# Altium PCB Controller.PcbDoc
Units mil, origin at the board's own origin, x right, y up, seen from the top; angles counter-clockwise.
Board outline 1181 x 1181 mil, 2 copper layers (Top Layer, Bottom Layer); 28 components, 26 nets, 140 pads, 52 vias.
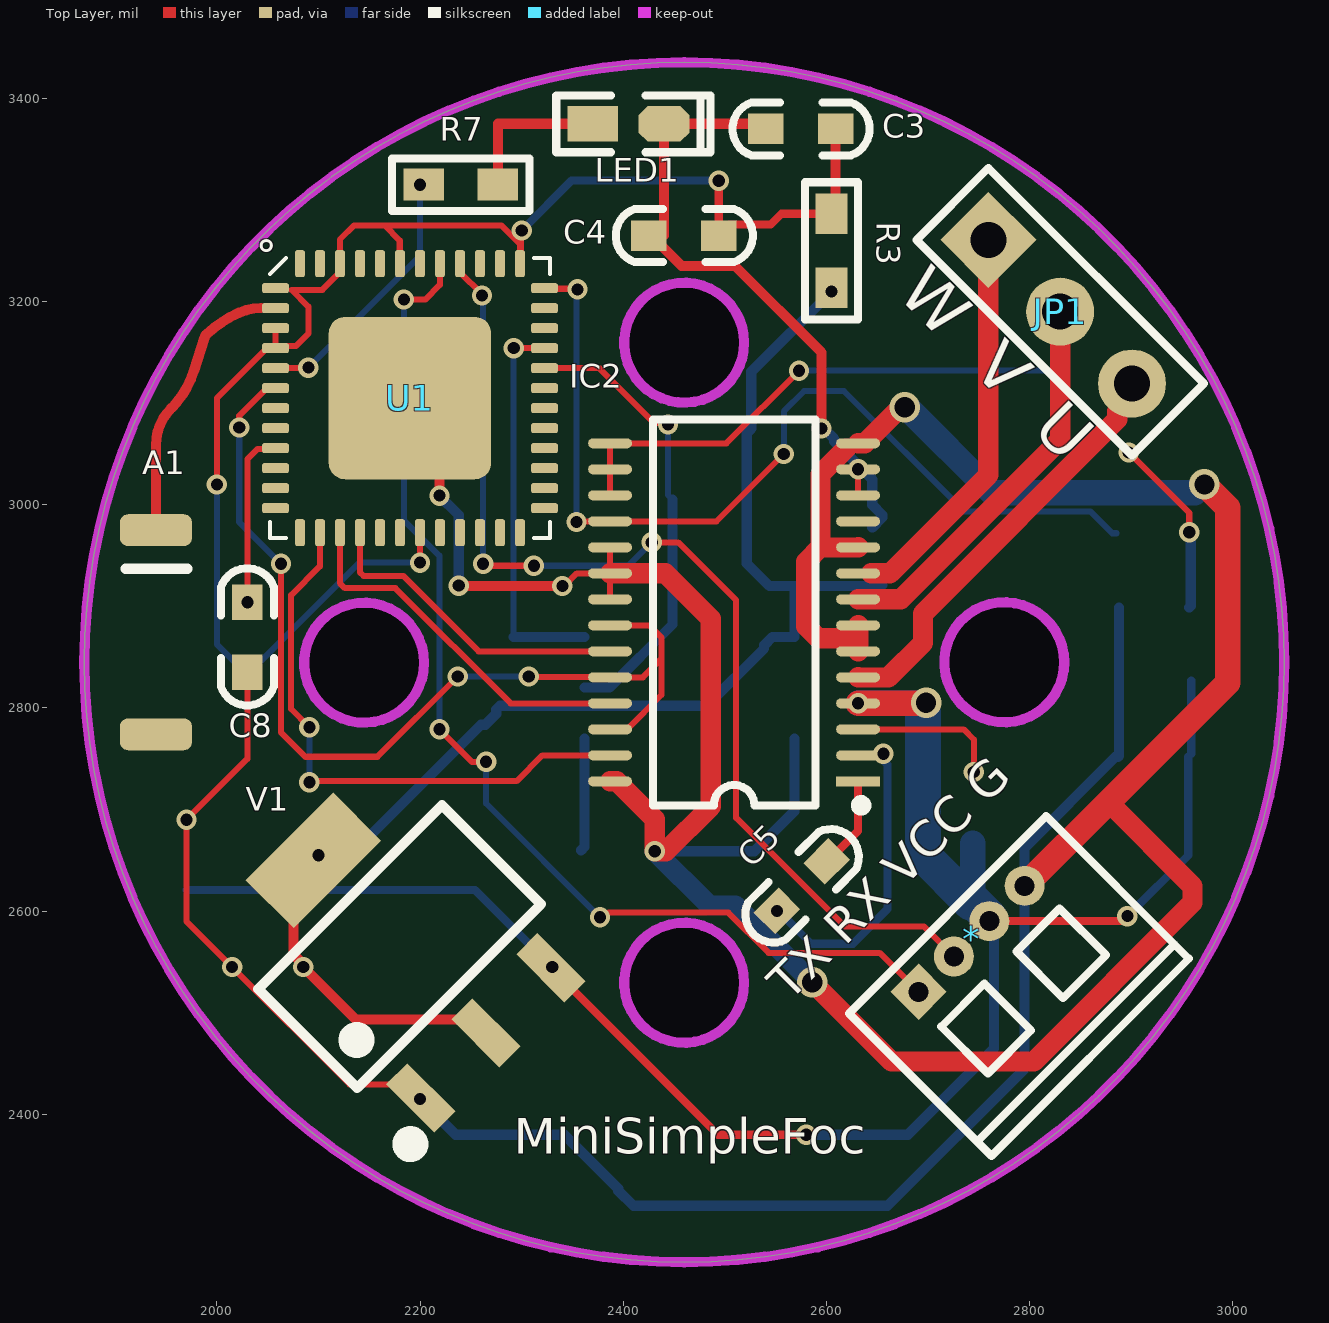
[diagram p0: Top Layer view]
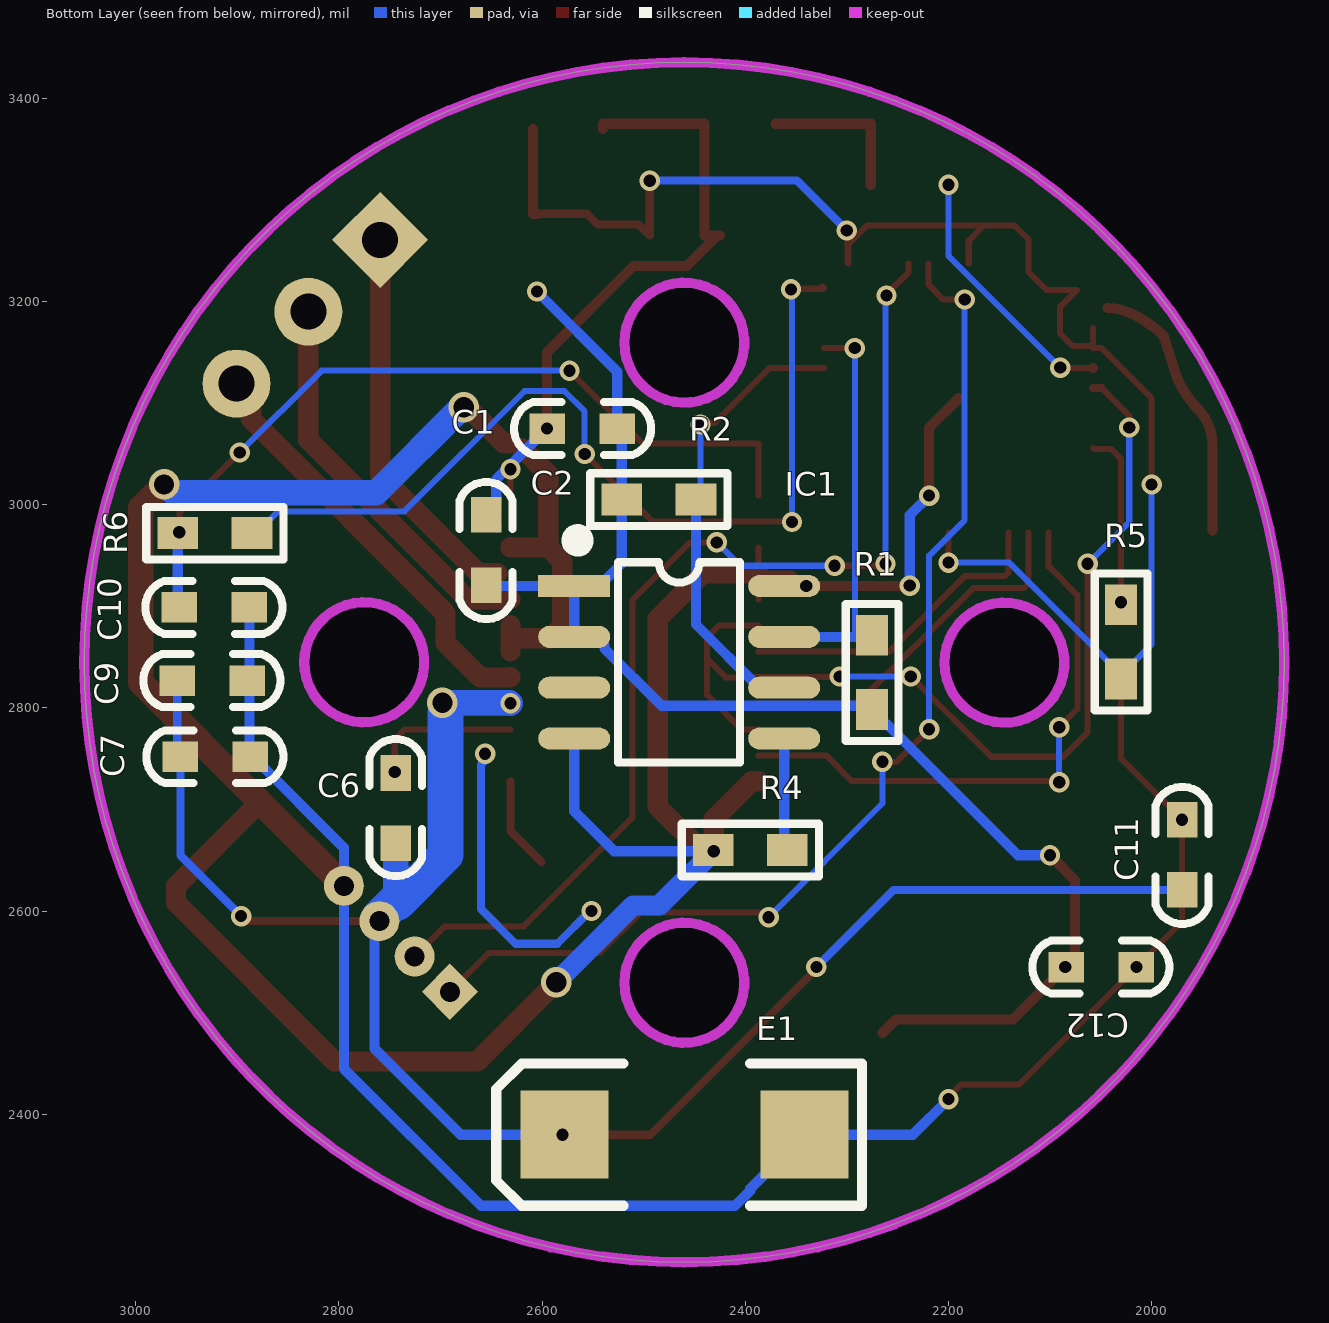
[diagram p1: Bottom Layer view, seen from below]

## Layer stack, top to bottom
Top Solder: solder mask 0.4, Solder Resist, Dk 3.5
Top Layer: signal copper 1.4
Dielectric 1: dielectric 12.6, FR-4, Dk 4.8
Bottom Layer: signal copper 1.4
Bottom Solder: solder mask 0.4, Solder Resist, Dk 3.5

## Board outline
2460,2254.5 cw(c2460,2845) 1869.5,2845 cw(c2460,2845) 2460,3435.5 cw(c2460,2845) 3050.5,2845 cw(c2460,2845)
cut-out: 2459.9,2470.52 cw(c2459.9,2529.57) 2400.85,2529.57 cw(c2459.9,2529.57) 2459.9,2588.62 cw(c2459.9,2529.57) 2518.95,2529.57 cw(c2459.9,2529.57)
cut-out: 2775,2785.95 cw(c2775,2845) 2715.95,2845 cw(c2775,2845) 2775,2904.05 cw(c2775,2845) 2834.05,2845 cw(c2775,2845)
cut-out: 2459.9,3100.52 cw(c2459.9,3159.57) 2400.85,3159.57 cw(c2459.9,3159.57) 2459.9,3218.62 cw(c2459.9,3159.57) 2518.95,3159.57 cw(c2459.9,3159.57)
cut-out: 2144.9,2785.52 cw(c2144.9,2844.57) 2085.85,2844.57 cw(c2144.9,2844.57) 2144.9,2903.62 cw(c2144.9,2844.57) 2203.95,2844.57 cw(c2144.9,2844.57)

## Design rules (kind name [scope] priority, off if disabled: settings)
Clearance [All] p1: gap=2 ignorepadtopadclearanceinfootprint=TRUE
HoleToHoleClearance [All] p1: gap=0 allowstackedmicrovias=TRUE
MinimumSolderMaskSliver [All] p1: minsoldermaskwidth=0
PolygonConnect [All] p1: connectstyle=Relief reliefconductorwidth=10 reliefentries=4 polygonreliefangle="90 Angle" airgapwidth=10
RoutingVias [All] p1: holewidth=28 width=50 viastyle="Through Hole" minholewidth=28 minwidth=50 maxholewidth=28 maxwidth=50
SilkToSilkClearance [All] p1: silktosilkclearance=2
SilkToSolderMaskClearance [IsPad] p1: minsilkscreentomaskgap=2 clearancetoexposedcopper=TRUE
SolderMaskExpansion [All] p1: expansion=4 istentingtop=FALSE
Width [All] p1: maxlimit=40 minlimit=6 preferedwidth=8
26 further rules are at their usual default settings.

## Components (designator, comment, footprint, x,y, rotation, side; value= is the part's Value field where it differs from the comment)
* "Header4" "MX 1.25-WI-4P" 2742.8,2572.8 r45 top
A1 "RAINSUN" ANT-Rainsun-AN5120 1940,2875 r270 top
C1 "104" "C 0603" 2560,3075 r180 bottom
C2 "10uF" "C 0603" 2655,2955 r270 bottom
C3 "10uF" "C 0603" 2575,3370 r0 top
C4 "104" "C 0603" 2460,3265 r0 top
C5 "103" "C 0603" 2576,2625 r45 top
C6 "104" "C 0603" 2744,2702 r90 bottom
C7 "104" "C 0603" 2922,2752 r0 bottom
C8 "104" "C 0603" 2030,2870 r90 top
C9 "104" "C 0603" 2925,2827 r0 bottom
C10 "104" "C 0603" 2923,2899 r0 bottom
C11 "10uF" "C 0603" 1970,2655 r270 bottom
C12 "22uF" "C 0603" 2050,2545 r0 bottom
E1 "100uF/16V" "CD C(6032)" 2460,2380 r180 bottom
IC1 "AS5600" SOP8_N 2465,2845 r180 bottom
IC2 "DRV8313PWPR" TSSOP28_L 2509.05,2894.16 r180 top
JP1 "HDR-1X3" HDR2.54-LI-3P 2830,3190 r315 top
LED1 "红色" "LED 0603W" 2405,3374.74 r0 top
R1 "10K" "R 0603" 2275,2835 r270 bottom
R2 "10K" "R 0603" 2485,3005 r0 bottom
R3 "1K" "R 0603" 2605,3250 r270 top
R4 "1K" "R 0603" 2395,2660 r180 bottom
R5 "10K" "R 0603" 2030,2865 r270 bottom
R6 "1K" "R 0603" 2922,2972 r0 bottom
R7 "1K" "R 0603" 2240,3315 r180 top
U1 "ESP32_SIP" QFN-48_7X7 2190,3105 r0 top
V1 "AMS1117-3V3" SOT223_L 2179.85,2565.15 r45 top

## Footprints (in the part's own frame and the unit in brackets; to place one, negate y for a bottom-side part, rotate by r counter-clockwise, add the part's x,y. Pads: shape width x height; smd on the part's side, far side on the other; paste and mask are expansions set on the pad)
ANT-Rainsun-AN5120 [mm] "选择焊盘"
  rrect50% 0.8x1.8 smd: 1(-2.54,0) ""(2.563,0)
  silkscreen extent -1.57,-0.76 -1.57,0.79, body extent -2.57,-0.91 2.54,0.94, height 1.32
"C 0603" [mil] "无极性贴片电容"
  rect 35x30 smd: 1(-35,0) 2(34,0)
  silkscreen extent -67,-26 67,26, body extent -31,-16 31,16, height 32
"CD C(6032)" [mm] "长6.0mm，宽3.2mm，厚2.5mm"
  rect 2.2x2.2 smd: 1(-3,0) 2(3,0)
  silkscreen extent -4.7,-1.78 4.44,1.78, body extent -3,-1.6 3,1.6, height 2.5
HDR2.54-LI-3P [mm] "排针，3脚"
  rect 1.7x1.7 hole 0.9: 1(-2.54,0)
  round 1.7 hole 0.9: 2(0,0) 3(2.54,0)
  silkscreen extent -3.81,-1.27 3.81,1.27, body extent -3.81,-1.27 3.81,1.27, height 8.5
"LED 0603W" [mil] "白色0603LED"
  rect 50x35 smd: 1(-35,0.26)
  oct 50x35 smd: 2(35,0.26)
  silkscreen extent -71,-28 81,28, body extent -31,-16 32,16, height 24
"MX 1.25-WI-4P" [mm] "长：6.75mm，宽：1.8mm，高：3.3mm"
  rect 1x1 hole 0.5: 1(-1.875,0)
  round 1 hole 0.5: 2(-0.625,0) 3(0.625,0) 4(1.875,0)
  silkscreen extent -3.49,-4.19 3.49,0.85, body extent -3.37,-4.05 3.37,0.85, height 3.35
QFN-48_7X7 [mm]
  rrect20% 4.064x4.064 smd: 0(0,0)
  rrect50% 0.675x0.25 smd: 1(-3.363,2.75) 2(-3.363,2.25) 3(-3.363,1.75) 4(-3.363,1.25) 5(-3.363,0.75) 6(-3.363,0.25) 7(-3.363,-0.25) 8(-3.363,-0.75) 9(-3.363,-1.25) 10(-3.363,-1.75) 11(-3.363,-2.25) 12(-3.363,-2.75) 25(3.363,-2.75) 26(3.363,-2.25) 27(3.363,-1.75) 28(3.363,-1.25) 29(3.363,-0.75) 30(3.363,-0.25) 31(3.363,0.25) 32(3.363,0.75) 33(3.363,1.25) 34(3.363,1.75) 35(3.363,2.25) 36(3.363,2.75)
  rrect50% 0.25x0.675 smd: 13(-2.75,-3.363) 14(-2.25,-3.363) 15(-1.75,-3.363) 16(-1.25,-3.363) 17(-0.75,-3.363) 18(-0.25,-3.363) 19(0.25,-3.363) 20(0.75,-3.363) 21(1.25,-3.363) 22(1.75,-3.363) 23(2.25,-3.363) 24(2.75,-3.363) 37(2.75,3.363) 38(2.25,3.363) 39(1.75,3.363) 40(1.25,3.363) 41(0.75,3.363) 42(0.25,3.363) 43(-0.25,3.363) 44(-0.75,3.363) 45(-1.25,3.363) 46(-1.75,3.363) 47(-2.25,3.363) 48(-2.75,3.363)
  silkscreen extent -3.5,-3.5 3.5,3.5, body extent -3.5,-3.5 3.5,3.5, height 1
"R 0603" [mil] "1/10W贴片电阻"
  rect 40x31.5 smd: 1(-36.5,0) 2(36.5,0)
  silkscreen extent -68,-26 68,26, body extent -31,-16 31,16, height 16
SOP8_N [mm] "5*6*1.8mm（长宽高）"
  rect 1.8x0.55 smd: 1(-2.625,1.905)
  oval 1.8x0.55 smd: 2(-2.625,0.635) 3(-2.625,-0.635) 4(-2.625,-1.905) 5(2.625,-1.905) 6(2.625,-0.635) 7(2.625,0.635) 8(2.625,1.905)
  silkscreen extent -2.69,-2.5 1.52,3.2, body extent -3,-2.5 3,2.5, height 1.9
SOT223_L [mm] "6.4x7x1.6mm(长宽高)"
  rect 0.75x1.7 smd: 1(-2.3,-3.048) 2(0,-3.048) 3(2.3,-3.048)
  rect 3.1x1.7 smd: 2(0,3.048)
  silkscreen extent -3.5,-3.88 3.25,1.75, body extent -3.25,-3.51 3.25,3.51, height 1.65
TSSOP28_L [mm] "9.8*6.4*1mm（长宽高）"
  rect 1.1x0.25 smd: 1(-3.1,4.225)
  oval 1.1x0.25 smd: 2(-3.1,3.575) 3(-3.1,2.925) 4(-3.1,2.275) 5(-3.1,1.625) 6(-3.1,0.975) 7(-3.1,0.325) 8(-3.1,-0.325) 9(-3.1,-0.975) 10(-3.1,-1.625) 11(-3.1,-2.275) 12(-3.1,-2.925) 13(-3.1,-3.575) 14(-3.1,-4.225) 15(3.1,-4.225) 16(3.1,-3.575) 17(3.1,-2.925) 18(3.1,-2.275) 19(3.1,-1.625) 20(3.1,-0.975) 21(3.1,-0.325) 22(3.1,0.325) 23(3.1,0.975) 24(3.1,1.625) 25(3.1,2.275) 26(3.1,2.925) 27(3.1,3.575) 28(3.1,4.225)
  silkscreen extent -3.3,-4.83 2.03,4.96, body extent -3.2,-4.9 3.2,4.9, height 1.03

## Part data
A1: library part ANT-Rainsun-AP5120
C1 C2 C3 C4 C5 C6 C7 C8 C9 C10 C11 C12: library part C, "无极性贴片电容", BOM名称=无极性贴片电容, 学习资源=www.ooocke.com, 版权归属=源创客
E1: library part C-CD, "贴片钽电容", BOM名称=贴片钽电容
IC1: "磁编码器", BOM名称=CAN芯片
IC2: "无刷电机驱动", BOM名称=串口转USB
JP1: library part "Header 3", "3P接插件", BOM名称=3P接插件, 学习资源=www.ooocke.com, 版权归属=源创客
LED1: library part LED-SMD, "贴片LED", BOM名称=贴片LED
R1 R2 R3 R4 R5 R6 R7: library part R, "贴片电阻", BOM名称=贴片电阻, 学习资源=www.ooocke.com, 版权归属=源创客
U1: library part ESP32-PICO
V1: library part AMS1117, "三端稳压芯片", BOM名称=稳压芯片, 学习资源=www.ooocke.com, 版权归属=源创客

## Via types
v1: diameter 20, hole 12, Top Layer to Bottom Layer, 48 vias
v2: diameter 30, hole 20, Top Layer to Bottom Layer, 4 vias

## Nets (pads, with @x,y where several pads share a name; then routed paths per layer and width w, separated by ;. In a path a pad name is that pad's centre, name@x,y a point inside that pad or via, vN(x,y) a via of type N, cw(c..) or ccw(c..) an arc to the next point about the centre after c; other vN are vias at no path point)
3V3: C1.2 C2.2 C12.2 IC1.1 IC1.2 R1.2 R2.2 R3.2 V1.2 | length 1380.7
  Top Layer w10: V1.2@2095,2650 2075.51,2630.51 2075.51,2557.19 2085,2547.71 v1(2085,2545) 2136.48,2493.52 2251.48,2493.52 V1.2@2264.71,2480.29
  Bottom Layer w10: v1(2100,2655) 2131.5,2655 2260,2783.5 2264.25,2783.5 2275,2794.25 R1.2 2278.67,2802.17 2482.17,2802.17 2538.61,2858.61 2538.61,2861.71 2546.89,2870 IC1.2 IC1.1 ; v1(2605,3210) 2526,3131 C1.2 2521.5,3070.5 R2.2 2521.5,2942.24 2543.74,2920 IC1.1 ; C2.2 2654,2920 IC1.1
3V3A: C3.2 C4.2 R3.1 R5.2 U1.1 U1.3 U1.4 U1.19 U1.37 U1.43 U1.46 | length 1569.8
  Top Layer w6: v1(2000,3020) 2000,3104.96 2049.25,3154.21 U1.4 ; U1.3 U1.4 ; U1.43 2180,3237.54 2180,3260 2165,3275 ; U1.19 2199.92,2972.54 v1(2199.92,2943.08) ; v1(2300,3270) 2299.13,3269.13 2299.13,3238.25 U1.37 2298.27,3256.73 2280,3275 2165,3275 ; U1.4 2059.54,3156.13 2077.62,3156.13 2090,3168.51 2090,3195 2073.42,3211.58 2103.66,3211.58 2121.1,3229.02 U1.46 2121.1,3261.1 2135,3275 2165,3275
  Top Layer w8: v1(2494,3319) C4.2 2505,3276 2545.13,3276 2555.63,3286.5 R3.1
  Top Layer w10: R3.1 2609,3286.5 C3.2
  Bottom Layer w6: v1(2000,3020) 2000,2862.75 R5.2@2030,2832.75 ; R5.2 R5.2@2030,2832.75 ; v1(2199.92,2943.08) 2140.33,2943.08 R5.2@2030,2832.75
  Bottom Layer w8: v1(2300,3270) 2349,3319 v1(2494,3319)
EN: C8.2 R5.1 U1.9 | length 173.1
  Top Layer w6: v1(2030,2904) 2030,3045 2040,3055 2056.83,3055 U1.9
ERROR: IC2.18 R6.1 U1.36 | length 932.5
  Top Layer w6: U1.36@2324.11,3215 U1.36 2323.02,3212.63 2354.37,3212.63 v1(2355,3212) ; v1(2354,2983) 2354.36,2983.36 2386.64,2983.36 IC2.18 2491.72,2983.72 v1(2558,3050)
  Bottom Layer w6: v1(2354,2983) 2354,3211 v1(2355,3212) ; v1(2558,3050) 2558,3092 2578,3112 2617,3112 2735.47,2993.53 2859.71,2993.53 2881.25,2972 R6.1
GND: *.4 C1.1 C2.1 C3.1 C4.1 C7.1 C8.1 C9.1 C10.1 C11.1 C12.1 E1.2 IC1.4 IC1.8 IC2.6 IC2.7 IC2.10 IC2.12 IC2.13 IC2.14 IC2.19 IC2.20 IC2.21 IC2.28 LED1.2 R4.1 U1.0 V1.1 | length 5542
  Top Layer w6: C8.1 2030,2750 v1(1970,2690) 1970,2590 v1(2015,2545) 2130.51,2429.49 2187.45,2429.49 V1.1 ; v1(2340,2920) 2341.78,2920 2354.33,2932.54 IC2.20 ; IC2.21 IC2.20 ; IC2.19 IC2.20 ; IC2.12 v1(2631.09,3034.91)
  Top Layer w10: U1.0 2219,3076 v1(2219,3009) ; v1(2238,2920.46) 2238.23,2920.23 2339.77,2920.23 v1(2340,2920) ; C4.1 C4.1@2427.5,3265 ; C3.1 2540,3375 LED1.2 2440,3265 C4.1@2427.5,3265 ; v1(2595,3075) 2595,3150 2510,3235 2457.5,3235 C4.1@2427.5,3265
  Top Layer w20: IC2.28 2393.57,2727.82 2431,2690.39 v1(2431,2659) 2442,2659 2486,2703 2486,2888 2441.46,2932.54 IC2.20 ; v2(2586,2530) 2664,2452 2804,2452 2960.22,2608.22 2960.22,2624.78 2877.5,2707.5 ; 2619.44,3055.42 2594,3029.98 2594,2958 ; IC2.6 2631.09,2868.57 ; IC2.7 2631.09,2868.57 ; IC2.10 2630.96,2958 2594,2958 ; IC2.14 2637.67,3060.5 2673.17,3096 v2(2677,3096) ; 2594,2958 2580,2944 2580,2880.28 2591.72,2868.57 2631.09,2868.57
  Top Layer w25: *.4 2877.5,2707.5 2995,2825 2995,2997 v2(2972,3020)
  Bottom Layer w10: v1(2200,2415) 2235,2380 E1.2 2395.1,2326.79 2395.1,2324.9 2410,2310 2660,2310 2795,2445 *.4 2795,2662.5 2884.5,2752 C7.1 2888,2753 C10.1 ; v1(2219,3009) 2238,2990 v1(2238,2920.46) ; v1(2431,2659) 2529,2659 2568.35,2698.35 IC1.4 ; v1(2595,3075) 2597.5,3075 2607.5,3065 2607.5,3062.5 2645,3025 2645,3000 C2.1 2655,2987.5 C2.1@2645,2977.5
  Bottom Layer w20: v1(2431,2659) 2484.38,2605.62 2510.38,2605.62 v2(2586,2530)
  Bottom Layer w25: v2(2677,3096) 2679,3096 2763,3012 2962.65,3012 2970.65,3020 v2(2972,3020)
GPIO0: U1.23
LED: R7.2 U1.5 | length 258.1
  Top Layer w6: U1.5@2057.7,3134.61 v1@2089.61,3134.61
  Top Layer w10: U1.5 U1.5@2057.7,3134.61 ; v1@2089.61,3134.61 v1(2090,3135)
  Bottom Layer w6: v1(2090,3135) 2200,3245 v1(2200,3315)
M_EN: IC2.22 IC2.24 IC2.26 U1.6 | length 1011.6
  Top Layer w6: v1@2023.64,3077.64 v1(2022,3076) 2022,3087.59 U1.6@2049.25,3114.84 ; v1(2063,2942) 2063,2776 2087,2752 2158,2752 v1(2237,2831) ; v1(2307,2831) 2307.41,2830.59 2387,2830.59 IC2.24@2404.14,2830.59 ; IC2.26 2403.73,2779 2437.51,2812.78 2437.51,2848.51 ; IC2.24 2419.18,2830.18 ; IC2.22 2425.64,2881.36 2437.51,2869.49 2437.51,2848.51 ; IC2.24@2404.14,2830.18 2419.18,2830.18 ; 2419.18,2830.18 2437.51,2848.51
  Top Layer w8: U1.6@2049.25,3114.84 U1.6
  Bottom Layer w6: v1(2022,3076) 2022,2983 v1(2063,2942) ; v1(2237,2831) v1(2307,2831)
NetA1_1: A1.1 U1.2 | length 266.7
  Top Layer w10: A1.1 1940,3058.79 cw(c1991.21,3058.79) 1954.95,3094.95 ccw(c1890.63,3159.35) 1977.37,3131.78 ; 1977.38,3131.79 1987.69,3164.25 1988.13,3165.64 cw(c2109.13,3083.43) 1989.02,3166.93 cw(c2109.13,3083.43) 1989.67,3167.86 cw(c2069.44,3081.64) 2021.78,3189 cw(c2043.48,3139.97) 2043.48,3193.58
NetC5_1: C5.1 IC2.2 | length 290.8
  Bottom Layer w8: v1(2551.25,2600.25) 2552.75,2600.25 2585,2568 2626,2568 2660,2602 2660,2744.31 2658.3,2746.02 2658.3,2752.7 v1(2656,2755)
NetC5_2: C5.2 IC2.1 | length 91.9
  Top Layer w8: C5.2@2600.54,2648.54 2631.09,2679.09 IC2.1
NetC6_2: C6.2 IC2.3 | length 150
  Top Layer w6: IC2.3 2735,2779 2745,2769 v1(2745,2737)
NetC10_2: C10.2 IC2.15 IC2.16 IC2.17 R6.2 | length 801.4
  Top Layer w6: IC2.17 IC2.16 IC2.15 2501.5,3060.5 v1(2573,3132) ; v1(2897.5,3051.5) 2957,2992 v1(2957,2973)
  Bottom Layer w6: v1(2573,3132) 2817,3132 v1(2897.5,3051.5)
  Bottom Layer w10: C10.2 2958.5,2900.5 R6.2
NetIC1_5: IC1.5 R4.2 | length 111.3
  Bottom Layer w10: R4.2 2361.65,2663.15 IC1.5
NetLED1_1: LED1.1 R7.1 | length 153.5
  Top Layer w10: R7.1 2276.5,3375 LED1.1
PWM1: IC2.27 U1.14 | length 571.8
  Top Layer w6: v1(2091,2727) 2092,2728 2295,2728 2320.41,2753.41 IC2.27 ; v1(2091,2781) 2073,2799 2073,2911 2101.42,2939.42 U1.14
  Bottom Layer w6: v1(2091,2727) v1(2091,2781)
PWM2: IC2.25 U1.15 | length 364.6
  Top Layer w6: U1.15 2121.1,2922.9 2126,2918 2175.73,2918 2289.14,2804.59 IC2.25
PWM3: IC2.23 U1.16 | length 317.5
  Top Layer w6: U1.16 2140.79,2933.51 2144.3,2930 2183.41,2930 2257.63,2855.77 IC2.23
RXD: *.2 U1.40 | length 1070.8
  Top Layer w6: U1.40 2239.21,3229.02 2261,3207.23 v1(2261,3206) ; v1(2262,2942) 2264,2940 v1(2312,2940) ; v1(2428,2963) 2454,2963 2511,2906 2511,2692 2618,2585 2695.81,2585 *.2
  Bottom Layer w6: v1(2261,3206) 2262,3205 v1@2262,2944 ; v1(2312,2940) 2405,2940 v1(2428,2963)
SCL: IC1.7 R1.1 U1.33 | length 384.4
  Top Layer w6: v1@2292,3154 v1(2292.21,3154.21) U1.33
  Bottom Layer w6: 2292,2870 2292,3154 v1(2292.21,3154.21)
  Bottom Layer w10: 2292,2870 IC1.7
SDA: IC1.6 R2.1 U1.32 | length 455.9
  Top Layer w6: U1.32 2376.47,3134.53 2430.57,3080.43 2442.57,3080.43 v1(2444,3079)
  Bottom Layer w6: v1(2444,3079) 2444,3009.5 R2.1
  Bottom Layer w10: IC1.6 2386.26,2820 2448.5,2882.24 R2.1
TXD: *.1 U1.41 | length 1106.5
  Top Layer w6: v1(2184,3202) 2205.16,3202 2219.53,3216.37 U1.41 ; v1(2219,2779) 2251,2747 v1(2265,2747) ; v1(2377,2594) 2380.79,2594 2385.41,2598.62 2503.38,2598.62 2543,2559 2652.21,2559 *.1
  Bottom Layer w6: v1(2184,3202) 2184,2985 2219,2950 v1(2219,2779) ; v1(2265,2747) 2265,2706 v1(2377,2594)
U: IC2.5 JP1.3 | length 418.6
  Top Layer w20: IC2.5 2631.28,2830 2661,2830 2695,2864 2695,2893 2886.12,3084.12 2886.12,3092 2900.71,3106.59 JP1.3
V: IC2.8 JP1.2 | length 390
  Top Layer w20: IC2.8 2672.95,2906.95 2830,3064 JP1.2
VCC: *.3 C6.1 C7.2 C9.2 C11.2 E1.1 IC2.4 V1.3 | length 1891
  Top Layer w8: V1.3 2493.06,2380 v1(2580,2380) ; *.3 2891.2,2590.2 v1(2896.15,2595.15)
  Top Layer w25: v1(2631.09,2804.59) 2697.59,2804.59 v2(2698,2805)
  Bottom Layer w8: C11.2 2254,2621 v1(2330,2545) ; v1(2896.15,2595.15) 2956,2655 C7.2 2959,2755 C9.2
  Bottom Layer w10: E1.1 2680,2380 2765,2465 2765,2585.4 *.3
  Bottom Layer w25: v1(2631.09,2804.59) 2631.5,2805 v2(2698,2805) 2695,2802 v2@2695,2795.65 ; 2744,2610.29 C6.1 ; *.3 *.3@2760.2,2594.09
  Bottom Layer w35: v2@2695,2795.65 2695,2655.4 2742.06,2608.35 ; 2744,2610.29 *.3@2760.2,2594.09
W: IC2.9 JP1.1 | length 386.8
  Top Layer w20: IC2.9@2644,2932.54 2662.54,2932.54 2759.29,3029.29 JP1.1
pads on no net: A1. IC1.3 IC2.11 U1.7 U1.8 U1.10 U1.11 U1.12 U1.13 U1.17 U1.18 U1.20 U1.21 U1.22 U1.24 U1.25 U1.26 U1.27 U1.28 U1.29 U1.30 U1.31 U1.34 U1.35 U1.38 U1.39 U1.42 U1.44 U1.45 U1.47 U1.48

## Keep-outs
Keep-Out Layer:
  circle w10: c2459.9,3159.57 r59.05
  circle w10: c2144.9,2844.57 r59.05
  circle w10: c2459.9,2529.57 r59.05
  circle w10: c2775,2845 r59.05
  circle w10: c2460,2845 r590.5

## Silkscreen, mask and mechanical layers (free items; w line width, h text height)
Top Overlay:
  text "。" at 2040.94,3242.22 h60
  text "W  V  U" at 2657.63,3195.63 h80 r315
  text "TX RX VCC G" at 2571.53,2501.47 h60 r45
  text "MiniSimpleFoc" at 2292,2349.66 h60
Mechanical 1:
  circle w10: c2145,2845 r59.05
  circle w10: c2775,2845 r59.05
  circle w10: c2460,2530 r59.05
  circle w10: c2460,3160 r59.05
  circle w10: c2460,2845 r590.5